# Altium PCB PCB.PcbDoc
Units mil, origin at the board's own origin, x right, y up, seen from the top; angles counter-clockwise.
Board outline 7244.09 x 2125.98 mil, 2 copper layers (Top Layer, Bottom Layer); 101 components, 135 nets, 491 pads, 288 vias.
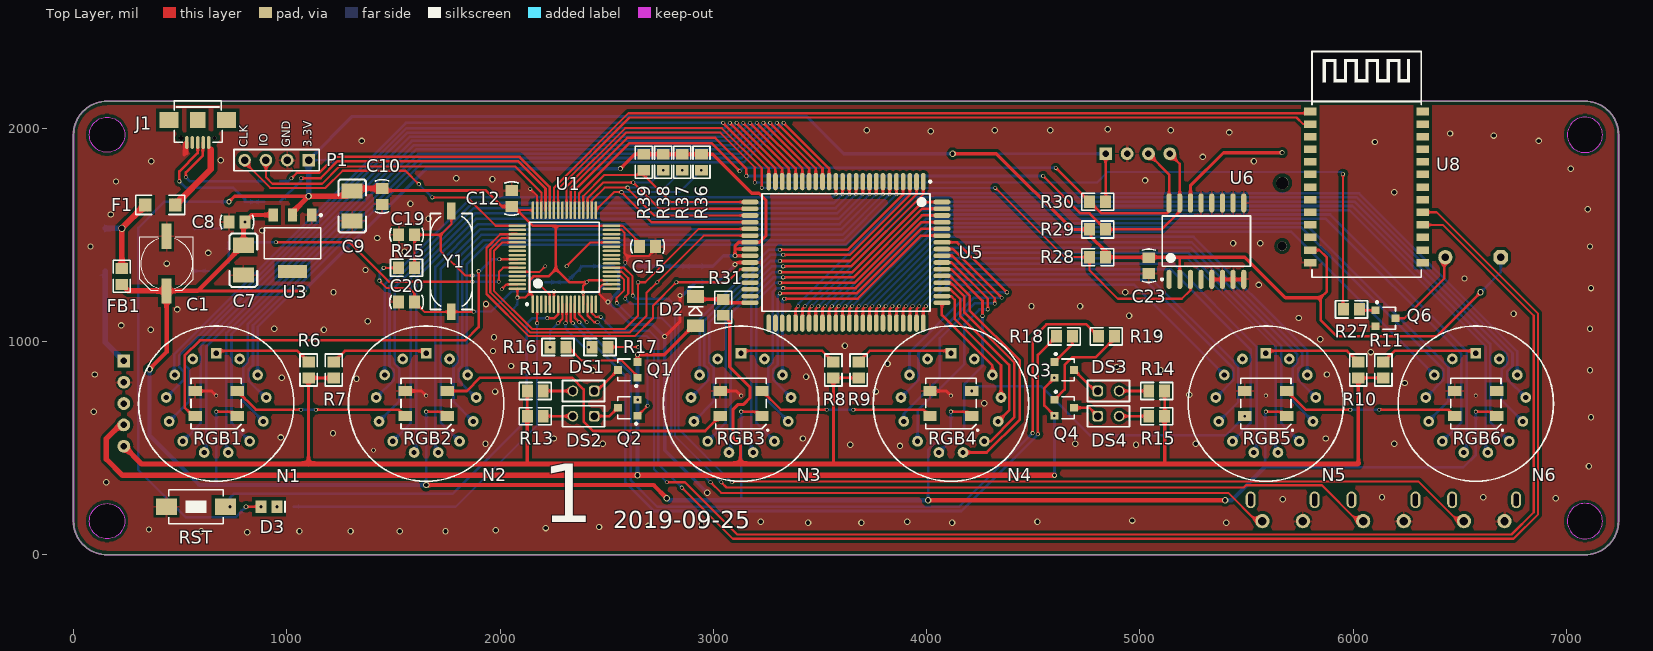
[diagram p0: Top Layer view]
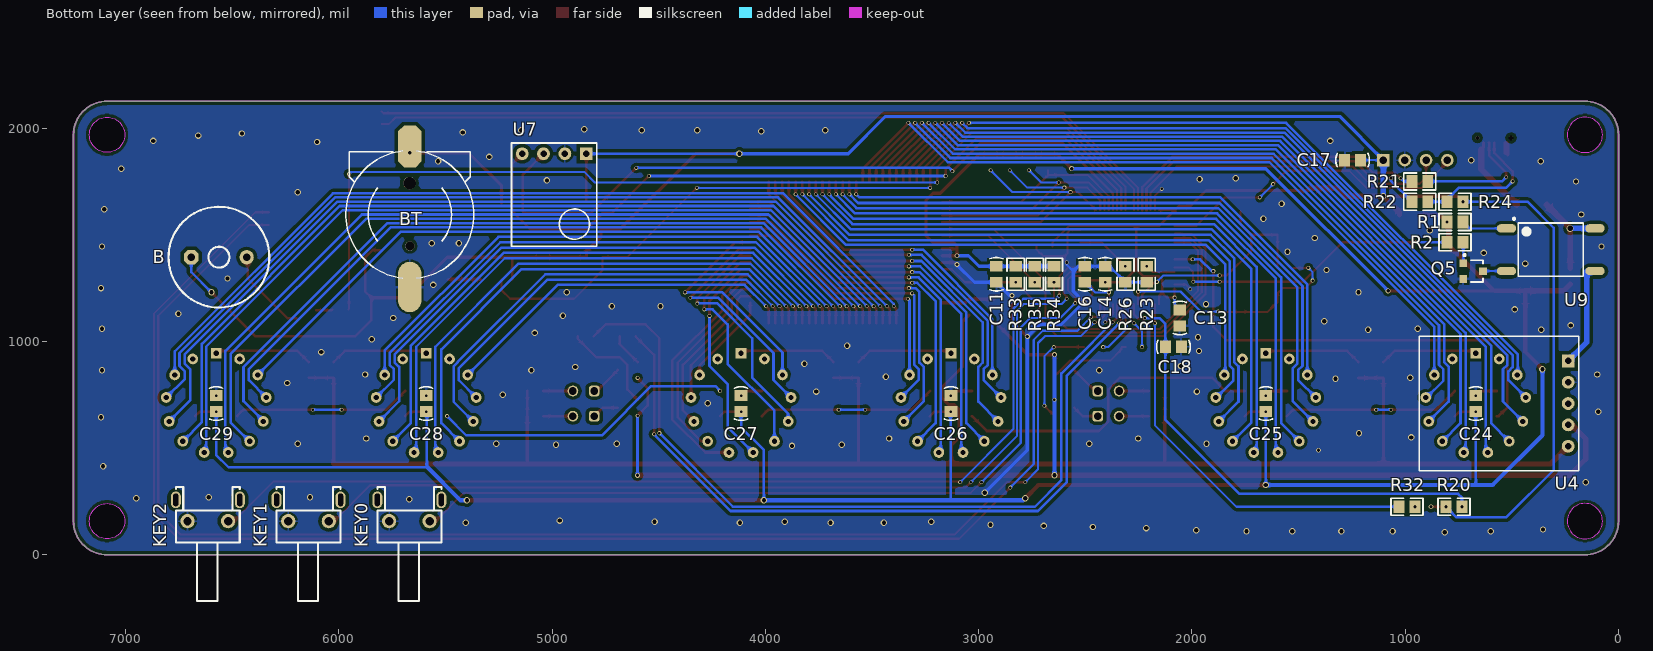
[diagram p1: Bottom Layer view, seen from below]

## Layer stack, top to bottom
Top Solder: solder mask 0.4, Solder Resist, Dk 3.5
Top Layer: signal copper 1.4
Dielectric 1: dielectric 12.6, FR-4, Dk 4.8
Bottom Layer: signal copper 1.4
Bottom Solder: solder mask 0.4, Solder Resist, Dk 3.5

## Board outline
0,157.48 0,1968.5 cw(c157.48,1968.5) 157.48,2125.98 7086.61,2125.98 cw(c7086.61,1968.5) 7244.09,1968.5 7244.09,157.48 cw(c7086.61,157.48) 7086.61,0 157.48,0 cw(c157.48,157.48)
cut-out: 157.48,1885.83 cw(c157.48,1968.5) 74.8,1968.5 cw(c157.48,1968.5) 157.48,2051.18 cw(c157.48,1968.5) 240.16,1968.5 cw(c157.48,1968.5)
cut-out: 157.48,74.8 cw(c157.48,157.48) 74.8,157.48 cw(c157.48,157.48) 157.48,240.16 cw(c157.48,157.48) 240.16,157.48 cw(c157.48,157.48)
cut-out: 7003.94,157.48 ccw(c7086.61,157.48) 7086.61,74.8 ccw(c7086.61,157.48) 7169.29,157.48 ccw(c7086.61,157.48) 7086.61,240.16 ccw(c7086.61,157.48)
cut-out: 7003.94,1968.5 ccw(c7086.61,1968.5) 7086.61,1885.83 ccw(c7086.61,1968.5) 7169.29,1968.5 ccw(c7086.61,1968.5) 7086.61,2051.18 ccw(c7086.61,1968.5)

## Design rules (kind name [scope] priority, off if disabled: settings)
Clearance Clearance_Polygon [InPolygon] p1: gap=15
Clearance [All] p2: gap=7
Height [All] p1: minheight=0 maxheight=3149.61 prefheight=500
MinimumSolderMaskSliver [All] p1: minsoldermaskwidth=0
PolygonConnect PolygonConnectVias [IsVia] p1: connectstyle=Direct reliefconductorwidth=10 reliefentries=4 polygonreliefangle="90 Angle" airgapwidth=10
PolygonConnect [All] p2: connectstyle=Relief reliefconductorwidth=10 reliefentries=4 polygonreliefangle="90 Angle" airgapwidth=10
RoutingVias [All] p1: holewidth=25 width=33 viastyle="Through Hole" minholewidth=10 minwidth=15 maxholewidth=50 maxwidth=70
SilkToSilkClearance [All] p1: silktosilkclearance=0
SilkToSolderMaskClearance [IsPad] p1: minsilkscreentomaskgap=0 clearancetoexposedcopper=TRUE
SolderMaskExpansion [All] p1: expansion=4
Width Width_VCC [(InNet('VCC5') AND InNet('VCC12') AND InNet('VCC3.3') AND InNet('VH'))] p1: maxlimit=35 minlimit=10 preferedwidth=25
Width [All] p2: maxlimit=35 minlimit=10 preferedwidth=10
26 further rules are at their usual default settings.

## Components (designator, comment, footprint, x,y, rotation, side; value= is the part's Value field where it differs from the comment)
B "BEEP-NS" BEEP-NS 6561.89,1395 r180 bottom
BT "Battery" CR1220 5666.89,1915 r180 bottom
C1 "Cap-Pol-ES" C-RB-SMD6.3x7.7 436.89,1365 r90 top
C7 "Cap-Pol" C-1210 796.89,1380.81 r90 top
C8 "Cap-S" C-0805 766.89,1560 r180 top
C9 "Cap-Pol" C-1210 1306.89,1635 r90 top
C10 "Cap-S" C-0805 1446.89,1680 r270 top
C11 "Cap-S" C-0805 2916.89,1315 r270 bottom
C12 "Cap-S" C-0805 2054.29,1670 r270 top
C13 "Cap-S" C-0805 2056.89,1110 r90 bottom
C14 "Cap-S" C-0805 2406.89,1315 r270 bottom
C15 "Cap-S" C-0805 2691.89,1445 r180 top
C16 "Cap-S" C-0805 2501.89,1315 r270 bottom
C17 "Cap-S" C-0805 1246.89,1850 r0 bottom
C18 "Cap-S" C-0805 2086.89,975 r180 bottom
C19 "Cap-S" C-0805 1561.89,1500 r0 top
C20 "Cap-S" C-0805 1561.89,1185 r0 top
C23 "Cap-S" C-0805 5041.89,1355 r270 top
C24 "Cap-S" C-0805 669.29,708.66 r90 bottom
C25 "Cap-S" C-0805 1653.54,708.66 r90 bottom
C26 "Cap-S" C-0805 3129.92,708.66 r90 bottom
C27 "Cap-S" C-0805 4114.17,708.66 r90 bottom
C28 "Cap-S" C-0805 5590.55,708.66 r90 bottom
C29 "Cap-S" C-0805 6574.8,708.66 r90 bottom
D2 "ZMM75" D-ll34 2916.89,1140 r90 top
D3 "LED0" LED-0805 916.89,225 r0 top
DS1 "Neon" PIN2 2391.73,767.72 r180 top
DS2 "Neon" PIN2 2391.73,649.61 r180 top
DS3 "Neon" PIN2 4852.36,767.72 r0 top
DS4 "Neon" PIN2 4852.36,649.61 r0 top
F1 "Fuse1" 1206 406.89,1640 r180 top
FB1 "Inductor" 0805-1 226.89,1305 r270 top
J1 "USB_M" USB_MICRO 582.68,2038.74 r180 top
KEY0 "KEY" SW_PB2_C1 5669.29,157.48 r0 bottom
KEY1 "KEY" SW_PB2_C1 6141.73,157.48 r0 bottom
KEY2 "KEY" SW_PB2_C1 6614.17,157.48 r0 bottom
N1 "IN_14" IN_14 669.29,708.66 r0 top
N2 "IN_14" IN_14 1653.54,708.66 r0 top
N3 "IN_14" IN_14 3129.92,708.66 r0 top
N4 "IN_14" IN_14 4114.17,708.66 r0 top
N5 "IN_14" IN_14 5590.55,708.66 r0 top
N6 "IN_14" IN_14 6574.8,708.66 r0 top
P1 "Header 4" HDR4X1-2.54 952.44,1850 r180 top
Q1 "A42" SOT23-3 2598.43,866.14 r90 top
Q2 "A42" SOT23-3 2598.43,688.98 r90 top
Q3 "A42" SOT23-3 4645.67,866.14 r270 top
Q4 "A42" SOT23-3 4645.67,688.98 r270 top
Q5 "9013" SOT23-3 681.89,1330 r270 bottom
Q6 "9013" SOT23-3 6151.89,1108.64 r270 top
R1 "Res1" 0805-1 766.89,1560 r180 bottom
R2 "Res1" 0805-1 766.89,1465 r0 bottom
R6 "Res1" 0805-1 1102.36,866.14 r270 top
R7 "Res1" 0805-1 1220.47,866.14 r270 top
R8 "Res1" 0805-1 3562.99,866.14 r270 top
R9 "Res1" 0805-1 3681.1,866.14 r270 top
R10 "Res1" 0805-1 6023.62,866.14 r270 top
R11 "Res1" 0805-1 6141.73,866.14 r270 top
R12 "Res1" 0805-1 2165.35,767.72 r0 top
R13 "Res1" 0805-1 2165.35,649.61 r0 top
R14 "Res1" 0805-1 5078.74,767.72 r0 top
R15 "Res1" 0805-1 5078.74,649.61 r180 top
R16 "Res1" 0805-1 2271.57,973.62 r0 top
R17 "Res1" 0805-1 2468.43,973.62 r0 top
R18 "Res1" 0805-1 4645.67,1023.62 r0 top
R19 "Res1" 0805-1 4842.52,1023.62 r0 top
R20 "Res1" 0805-1 771.89,225 r0 bottom
R21 "Res1" 0805-1 931.89,1750 r0 bottom
R22 "Res1" 0805-1 931.89,1655 r0 bottom
R23 "Res1" 0805-1 2211.89,1315 r90 bottom
R24 "Res1" 0805-1 766.89,1655 r180 bottom
R25 "Res1" 0805-1 1561.89,1345 r0 top
R26 "Res1" 0805-1 2311.89,1315 r270 bottom
R27 "Res1" 0805-1 5991.89,1150 r0 top
R28 "Res1" 0805-1 4801.89,1395 r0 top
R29 "Res1" 0805-1 4801.89,1525 r180 top
R30 "Res1" 0805-1 4801.89,1655 r0 top
R31 "Res1" 0805-1 3046.89,1160 r90 top
R32 "Res1" 0805-1 991.89,225 r180 bottom
R33 "Res1" 0805-1 2826.89,1315 r90 bottom
R34 "Res1" 0805-1 2646.89,1315 r90 bottom
R35 "Res1" 0805-1 2736.89,1315 r90 bottom
R36 "Res1" 0805-1 2944.37,1840 r90 top
R37 "Res1" 0805-1 2854.37,1840 r90 top
R38 "Res1" 0805-1 2764.37,1840 r90 top
R39 "Res1" 0805-1 2674.37,1840 r90 top
RGB1 "WS2812B" SMD-5050-4 669.29,708.66 r180 top
RGB2 "WS2812B" SMD-5050-4 1653.54,708.66 r180 top
RGB3 "WS2812B" SMD-5050-4 3129.92,708.66 r180 top
RGB4 "WS2812B" SMD-5050-4 4114.17,708.66 r180 top
RGB5 "WS2812B" SMD-5050-4 5590.55,708.66 r180 top
RGB6 "WS2812B" SMD-5050-4 6574.8,708.66 r180 top
RST "SW-PB" SW_PB2_A1 571.89,225 r270 top
U1 "STM32F103RCT6" LQFP-64 2301.89,1395 r90 top
U3 "AMS1117-3.3" SOT223 1026.89,1460 r180 top
U4 "Boost" BOOST-A 236.22,708.66 r180 bottom
U5 "HV57708PG" PQFP-80 3622.05,1417.32 r270 top
U6 "DS3231" SOIC-16W 5311.89,1470 r90 top
U7 "SHT30" SHT30 4990,1880 r270 bottom
U8 "HC-02" HC-02 6062.99,1723.74 r0 top
U9 "光耦继电器AQY272" AQY272-SOP 317.52,1430 r180 bottom
Y1 "XTAL" X-SM49 1771.89,1375 r270 top

## Footprints (in the part's own frame and the unit in brackets; to place one, negate y for a bottom-side part, rotate by r counter-clockwise, add the part's x,y. Pads: shape width x height; smd on the part's side, far side on the other; paste and mask are expansions set on the pad)
0805-1 [mm] "0805带丝印"
  rect 1.3x1.5 smd: 1(-0.95,0) 2(0.95,0)
  silkscreen extent -1.91,-1.02 1.91,1.02, body extent -1,-0.62 1,0.63, height 0.5
1206 [mil] "贴片元件"
  rect 60x60 smd: 1(-70,0) 2(70,0)
  silkscreen extent -115,-45 115,45, body extent -75,-35 75,35, height 39
AQY272-SOP [mm] "Relay_AQY272"
  oval 2.3x1 smd: 1(-5.271,2.54) 2(-5.271,-2.54) 3(5.271,-2.54) 4(5.271,2.54)
  silkscreen extent -4.5,-3.18 3.87,3.81, body extent -5.14,-4.65 5.26,4.65, height 3.7
BEEP-NS [mm] "无源蜂鸣器"
  oct 1.7x1.7 hole 0.9: 1(-3.3,0)
  round 1.7 hole 0.9: 2(3.3,0)
  silkscreen extent -6,-6 6,6, body extent -6,-6 6,6, height 8.5
BOOST-A [mil] "5V-170V升压模块"
  rect 60x60 hole 30: 1(0,200)
  round 60 hole 30: 2(0,100) 3(0,-100) 4(0,-200) ""(0,0)
  silkscreen extent -698,-315 50,315, body extent -50,-250 50,250, height 335
C-0805 [mm] "贴片电容"
  rect 1.3x1.5 smd: 1(-0.95,0) 2(0.95,0)
  silkscreen extent -2,-0.79 2,0.79, body extent -1,-0.6 1,0.6, height 0.95
C-1210 [mm] "贴片电容"
  rect 1.8x2.5 smd: 1(1.778,0) 2(-1.778,0)
  silkscreen extent -3.17,-1.65 3.17,1.65, body extent -1.61,-1.26 1.61,1.26, height 1
C-RB-SMD6.3x7.7 [mm] "贴片铝电解电容"
  rect 3x1.2 smd: 1(-3.25,0) 2(3.25,0)
  silkscreen extent -3.2,-3.2 3.2,3.2, body extent -3.3,-3.3 3.3,3.3, height 7.7
CR1220 [mm] "纽扣电池座"
  round 1.5 hole 1.5: 0(-0.022,-4.386)
  round 1.1 hole 1.1: 0(0.003,-11.886)
  oct 2.8x5 smd: 1(0,0)
  oval 2.8x6 smd: 2(0,-16.764)
  silkscreen extent -7.61,-15.71 7.62,-0.56, body extent -7.5,-17.63 7.49,0.87, height 4.94
D-ll34 [mm] "圆柱形1206贴片稳压二极管"
  rect 1.5x2 smd: 1(-1.702,0) 2(1.798,0)
  silkscreen extent -0.45,-0.89 2.92,0.89, body extent -1.75,-0.75 1.75,0.75, height 1.5
HC-02 [mm] "串口蓝牙, 2.0/4.0 BLE, 10m"
  rect 1.5x0.9 smd: 1(-6.7,9) 2(-6.7,7.5) 3(-6.7,6) 4(-6.7,4.5) 5(-6.7,3) 6(-6.7,1.5) 7(-6.7,0) 8(-6.7,-1.5) 9(-6.7,-3) 10(-6.7,-4.5) 11(-6.7,-6) 12(-6.7,-7.5) 13(-6.7,-9) 14(6.7,-9) 15(6.7,-7.5) 16(6.7,-6) 17(6.7,-4.5) 18(6.7,-3) 19(6.7,-1.5) 20(6.7,0) 21(6.7,1.5) 22(6.7,3) 23(6.7,4.5) 24(6.7,6) 25(6.7,7.5) 26(6.7,9)
  silkscreen extent -6.5,-10.75 6.5,16.15
HDR4X1-2.54 [mm] "2.54单排针排座"
  rect 1.5x1.5 hole 0.9: 1(-3.81,0)
  round 1.5 hole 0.9: 2(-1.27,0) 3(1.27,0) 4(3.81,0)
  silkscreen extent -5.08,-1.27 5.08,1.27, body extent -5.08,-1.27 5.08,1.27, height 8.5
IN_14 [mil] "辉光管"
  rect 50x50 hole 25: 1(0,236.22)
  round 50 hole 25: 2(-109.78,209.16) 3(-194.4,134.19) 4(-234.49,28.47) 5(-220.87,-83.76) 6(-156.64,-176.81) 7(-56.53,-229.36) 8(56.55,-229.35) 9(156.65,-176.81) 10(220.88,-83.76) 11(234.5,28.48) 12(194.41,134.19) 13(109.78,209.16)
  silkscreen extent -364,-364 364,364, body extent -374,-374 374,374, height 2402
LED-0805 [mm] "贴片LED"
  rect 1.3x1.5 smd: 1(-0.95,0) 2(0.95,0)
  silkscreen extent 1.91,-0.64 1.91,0.64, body extent -1.01,-0.62 1.01,0.63, height 1.1
LQFP-64 [mm] "LQFP, 12x12"
  oval 2.1x0.3 smd: 1(-5.6,3.75) 2(-5.6,3.25) 3(-5.6,2.75) 4(-5.6,2.25) 5(-5.6,1.75) 6(-5.6,1.25) 7(-5.6,0.75) 8(-5.6,0.25) 9(-5.6,-0.25) 10(-5.6,-0.75) 11(-5.6,-1.25) 12(-5.6,-1.75) 13(-5.6,-2.25) 14(-5.6,-2.75) 15(-5.6,-3.25) 16(-5.6,-3.75) 33(5.6,-3.75) 34(5.6,-3.25) 35(5.6,-2.75) 36(5.6,-2.25) 37(5.6,-1.75) 38(5.6,-1.25) 39(5.6,-0.75) 40(5.6,-0.25) 41(5.6,0.25) 42(5.6,0.75) 43(5.6,1.25) 44(5.6,1.75) 45(5.6,2.25) 46(5.6,2.75) 47(5.6,3.25) 48(5.6,3.75)
  oval 0.3x2.1 smd: 17(-3.75,-5.6) 18(-3.25,-5.6) 19(-2.75,-5.6) 20(-2.25,-5.6) 21(-1.75,-5.6) 22(-1.25,-5.6) 23(-0.75,-5.6) 24(-0.25,-5.6) 25(0.25,-5.6) 26(0.75,-5.6) 27(1.25,-5.6) 28(1.75,-5.6) 29(2.25,-5.6) 30(2.75,-5.6) 31(3.25,-5.6) 32(3.75,-5.6) 49(3.75,5.6) 50(3.25,5.6) 51(2.75,5.6) 52(2.25,5.6) 53(1.75,5.6) 54(1.25,5.6) 55(0.75,5.6) 56(0.25,5.6) 57(-0.25,5.6) 58(-0.75,5.6) 59(-1.25,5.6) 60(-1.75,5.6) 61(-2.25,5.6) 62(-2.75,5.6) 63(-3.25,5.6) 64(-3.75,5.6)
  silkscreen extent -5.72,-4.15 4.15,4.57, body extent -6.07,-6.07 6.07,6.07, height 1.62
PIN2 [mm] "氖泡, 2 Pins"
  rrect50% 1.27x1.27 hole 0.9: 1(-1.27,0)
  round 1.27 hole 0.9: 2(1.27,0)
  silkscreen extent -2.5,-1.25 2.5,1.25
PQFP-80 [mm]
  oval 2.05x0.55 smd: 1(-8.425,9.2) 2(-8.425,8.4) 3(-8.425,7.6) 4(-8.425,6.8) 5(-8.425,6) 6(-8.425,5.2) 7(-8.425,4.4) 8(-8.425,3.6) 9(-8.425,2.8) 10(-8.425,2) 11(-8.425,1.2) 12(-8.425,0.4) 13(-8.425,-0.4) 14(-8.425,-1.2) 15(-8.425,-2) 16(-8.425,-2.8) 17(-8.425,-3.6) 18(-8.425,-4.4) 19(-8.425,-5.2) 20(-8.425,-6) 21(-8.425,-6.8) 22(-8.425,-7.6) 23(-8.425,-8.4) 24(-8.425,-9.2) 41(8.425,-9.2) 42(8.425,-8.4) 43(8.425,-7.6) 44(8.425,-6.8) 45(8.425,-6) 46(8.425,-5.2) 47(8.425,-4.4) 48(8.425,-3.6) 49(8.425,-2.8) 50(8.425,-2) 51(8.425,-1.2) 52(8.425,-0.4) 53(8.425,0.4) 54(8.425,1.2) 55(8.425,2) 56(8.425,2.8) 57(8.425,3.6) 58(8.425,4.4) 59(8.425,5.2) 60(8.425,6) 61(8.425,6.8) 62(8.425,7.6) 63(8.425,8.4) 64(8.425,9.2)
  oval 0.55x2.05 smd: 25(-6,-11.425) 26(-5.2,-11.425) 27(-4.4,-11.425) 28(-3.6,-11.425) 29(-2.8,-11.425) 30(-2,-11.425) 31(-1.2,-11.425) 32(-0.4,-11.425) 33(0.4,-11.425) 34(1.2,-11.425) 35(2,-11.425) 36(2.8,-11.425) 37(3.6,-11.425) 38(4.4,-11.425) 39(5.2,-11.425) 40(6,-11.425) 65(6,11.425) 66(5.2,11.425) 67(4.4,11.425) 68(3.6,11.425) 69(2.8,11.425) 70(2,11.425) 71(1.2,11.425) 72(0.4,11.425) 73(-0.4,11.425) 74(-1.2,11.425) 75(-2,11.425) 76(-2.8,11.425) 77(-3.6,11.425) 78(-4.4,11.425) 79(-5.2,11.425) 80(-6,11.425)
  silkscreen extent -8.55,-10 7,10.15, body extent -7,-10 7,10, height 3.1
SHT30 [mil] "温湿度传感器模块 10mm x 13mm"
  rect 60x60 hole 30: 1(0,150)
  round 60 hole 30: 2(0,50) 3(0,-50) 4(0,-150)
  silkscreen extent -50,-200 433,200, body extent -50,-200 50,200, height 335
SMD-5050-4 [mm]
  rect 1.6x1.2 smd: 1(-2.5,1.5) 2(-2.5,-1.5) 3(2.5,-1.5) 4(2.5,1.5)
  silkscreen extent -3.27,-3 3,3.27, body extent -2.7,-2.5 2.7,2.5, height 1.5
SOIC-16W [mm] "SOIC"
  oval 2.3x0.6 smd: 1(-4.55,4.445) 2(-4.55,3.175) 3(-4.55,1.905) 4(-4.55,0.635) 5(-4.55,-0.635) 6(-4.55,-1.905) 7(-4.55,-3.175) 8(-4.55,-4.445) 9(4.55,-4.445) 10(4.55,-3.175) 11(4.55,-1.905) 12(4.55,-0.635) 13(4.55,0.635) 14(4.55,1.905) 15(4.55,3.175) 16(4.55,4.445)
  silkscreen extent -4.67,-5.25 3,5.42, body extent -3.75,-5.15 3.75,5.15, height 2.65
SOT23-3 [mm]
  rect 0.9x0.95 smd: 1(-0.95,-1.175) 2(0.95,-1.175) 3(0,1.175)
  silkscreen extent -2.03,-1.14 1.3,1.18, body extent -1.45,-1.4 1.45,1.4, height 1.2
SOT223 [mm]
  rect 1.1x1.55 smd: 1(-2.3,-3.375) 2(0,-3.375) 3(2.3,-3.375)
  rect 3.45x1.55 smd: 4(0,3.375)
  silkscreen extent -3.5,-3.48 3.35,1.85, body extent -3.25,-3.48 3.25,3.48, height 1.7
SW_PB2_A1 [mm]
  rect 2x2.5 smd: 1(0,3.556) 2(0,-3.444)
  silkscreen extent -2,-3.19 2,3.31, body extent -1.93,-3.94 1.92,3.95, height 2.5
SW_PB2_C1 [mm] "侧卧微动开关"
  round 1.7 hole 1: 1(-2.413,0) 2(2.413,0)
  oval 1.2x2 hole 0.6 slot 1.5 at 90 deg: 3(-3.81,-2.54) 4(3.81,-2.54)
  silkscreen extent -3.81,-4.06 3.81,9.53, body extent -4.26,-4 4.44,3.85, height 7.4
USB_MICRO [mm] "USB方孔"
  round 0.5 hole 0.5: 0(-2,2.15)
  round 0.5 hole 0.56: 0(2,2.15)
  oct 0.4x1.5 smd: 1(-1.3,2.7) 2(-0.65,2.7) 3(0,2.7) 4(0.65,2.7) 5(1.3,2.7)
  rect 2.286x1.9 smd: 6(3.429,0) 7(-3.429,0)
  rect 1.8x1.9 smd: 8(0,0)
  silkscreen extent -2.92,-2.29 2.79,2.67, body extent -4.4,-2.79 4.4,2.81, height 2.73
X-SM49 [mm]
  rect 2x1 smd: 1(6,0.004) 2(-6,-0.004)
  silkscreen extent -5.7,-2.5 5.72,2.5, body extent -6.7,-2.46 6.7,2.44, height 4

## Part data
B: "无源蜂鸣器"
C1: "贴片铝电解电容"
C7 C9: library part Cap-Pol-A, "钽电容"
C8 C10 C11 C12 C13 C14 C15 C16 C17 C18 C19 C20 C23 C24 C25 C26 C27 C28 C29: "贴片瓷片电容"
D2: library part Diode-Z, "稳压二极管"
D3: "发光二极管"
DS1 DS2 DS3 DS4: library part Neon_Lamp, "氖泡"
F1: "保险丝"
FB1: "磁珠"
J1: "Micro/Mini USB"
KEY0 KEY1 KEY2: library part SW-PB, "微动开关"
N1 N2 N3 N4 N5 N6: "辉光管"
P1: "接插件"
Q1 Q2 Q3 Q4 Q5 Q6: library part NPN1, "贴片三极管"
R1 R2 R6 R7 R8 R9 R10 R11 R12 R13 R14 R15 R16 R17 R18 R19 R20 R21 R22 R23 R24 R25 R26 R27 R28 R29 R30 R31 R32 R33 R34 R35 R36 R37 R38 R39: "贴片电阻"
RGB1 RGB2 RGB3 RGB4 RGB5 RGB6: "WS2812B 4脚RGB全彩LED"
RST: "微动开关"
U1: "STM32F103, 64引脚, 256Kb Flash, 48Kb SRAM"
U3: library part AMS1117, "3.3V稳压芯片"
U4: library part 升压模块5V-170V, "5V-->170V"
U5: "32MHz, 64通道推挽输出串入并出芯片"
U6: "高精度时钟芯片"
U7: "温湿度传感器模块"
U8: "串口蓝牙4.0, 10m"
U9: library part RELAY-AQY272, "继电器"
Y1: "晶振"

## Via types
v1: diameter 18, hole 12, Top Layer to Bottom Layer, tented both sides, 144 vias
v2: diameter 30, hole 20, Top Layer to Bottom Layer, tented both sides, 127 vias
v3: diameter 23, hole 15, Top Layer to Bottom Layer, tented both sides, 13 vias
v4: diameter 24, hole 16, Top Layer to Bottom Layer, tented both sides, 3 vias
v5: diameter 33, hole 25, Top Layer to Bottom Layer, tented both sides, 1 vias

## Nets (pads, with @x,y where several pads share a name; then routed paths per layer and width w, separated by ;. In a path a pad name is that pad's centre, name@x,y a point inside that pad or via, vN(x,y) a via of type N, cw(c..) or ccw(c..) an arc to the next point about the centre after c; other vN are vias at no path point)
+5V: F1.2 FB1.1 U9.4 | length 420.7
  Top Layer w25: FB1.1 v5(226.89,1530)
  Top Layer w30: v5(226.89,1530) 331.89,1635 F1.2
  Bottom Layer w25: U9.4@149.39,1530 v5(226.89,1530)
BEEP: R27.1 U1.39 | length 4634.4
  Top Layer w10: U1.39 2331.42,1719.53 2590.89,1979 3032.89,1979 3196.89,1815 3194.37,1812.48 v1(3194.37,1745) ; v1(5951.89,1785) 5951.89,1152.6 R27.1
  Bottom Layer w10: v1(3194.37,1745) 4799.37,1745 4849.37,1795 5941.89,1795 v1(5951.89,1785)
DOT1: R16.1 U1.8 | length 224.9
  Top Layer w10: v1(2271.89,1085) 2292.05,1105.16 U1.8
  Bottom Layer w10: v1(2234.17,973.62) 2234.17,1047.28 v1(2271.89,1085)
DOT2: R17.1 U1.9 | length 262.3
  Top Layer w10: v1(2306.89,1085) 2311.73,1089.84 U1.9
  Bottom Layer w10: v1(2306.89,1085) 2306.89,1060 2393.27,973.62 v1(2416.89,973.62)
DOT3: R18.1 U1.10 | length 3575.4
  Top Layer w12: U1.10 2331.42,1095.47 v1(2341.89,1085) ; v1(4521.89,565) 4521.89,937.24 R18.1
  Bottom Layer w12: v1(2341.89,1085) 2586.89,840 2586.89,340 2721.89,205 4163,205 4518.89,560.89 4518.89,562 v1(4521.89,565)
DOT4: R19.1 U1.11 | length 3815.7
  Top Layer w12: U1.11 2351.1,1110.79 v1(2371.89,1090) ; v1(4496.89,570) 4496.89,1015 4561.89,1080 4748.74,1080 R19.1
  Bottom Layer w12: v1(2371.89,1090) 2556.24,905.65 2611.89,850 2611.89,350 2736.89,225 4151.89,225 v1(4496.89,570)
DS_INT: R28.1 U1.40 U6.3 | length 3638.4
  Top Layer w10: U1.40 2311.73,1724.84 2586.89,2000 3039.88,2000 3226.89,1812.99 v1(3226.89,1720) ; v1(4321.89,1720) 4646.89,1395 R28.1 4764.49,1332.4 4896.89,1200 5196.89,1200 5236.89,1240 U6.3
  Bottom Layer w10: v1(3226.89,1720) v1(4321.89,1720)
GND: BT.2 C1.2 C7.2 C8.2 C9.2 C10.2 C11.2 C12.1 C13.1 C14.1 C15.1 C16.1 C17.2 C18.2 C19.1 C20.1 C23.2 C24.2 C25.2 C26.2 C27.2 C28.2 C29.2 J1.5 KEY0.2 KEY1.2 KEY2.2 P1.2 Q5.2 Q6.2 R23.1 R26.2 RGB1.3 RGB2.3 RGB3.3 RGB4.3 RGB5.3 RGB6.3 RST.2 U1.12 U1.18 U1.31 U1.47 U1.63 U3.1 U4.2 U5.34 U6.5 U6.6 U6.7 U6.8 U6.9 U6.10 U6.11 U6.12 U6.13 U7.2 U8.13 | length 3876.5
  Top Layer w10: v1(2007.8,1245) 2029.84,1267.05 U1.63 ; v1(2141.89,1715) 2173.94,1682.95 U1.47 ; U1.12 2370.79,1126.1 v1(2406.89,1090) ; v3(2506.89,1185) 2501.89,1185 2466.89,1220 2466.89,1252.65 2481.29,1267.05 U1.18 ; U1.31 2569.9,1522.95 2583.12,1509.73 2583.12,1413.77 2596.89,1400 ; v1(2586.89,1370) 2596.89,1380 2596.89,1400 ; C15.1 2729.29,1432.4 2696.89,1400 2596.89,1400
  Top Layer w12: RGB1.3 647.64,767.72 v1(669.29,746.06)
  Top Layer w15: 519.37,1875 519.37,1925 526.81,1932.44 J1.5 531.5,1882.13 ; RGB2.3 1631.89,767.72 v1(1653.54,746.06) ; v3(2771.89,1022.48) 2844.37,1094.96 v3(2844.37,1215) ; RGB3.3 3108.27,767.72 v1(3129.92,746.06) ; v3(3101.89,1360) 3111.97,1370.08 U5.34 ; RGB4.3 4092.52,767.72 v1(4114.17,746.06) ; U6.5 U6.6 U6.7 U6.8
  Bottom Layer w10: 2556.89,1329.32 2586.89,1359.32 v1(2586.89,1370)
  Bottom Layer w12: R23.1 R26.2 2386.69,1352.4 C14.1 C16.1
  Bottom Layer w15: C16.1 2533.81,1352.4 2556.89,1329.32 2556.89,1235 v3(2506.89,1185) 2611.89,1080 2714.47,1080 2771.89,1022.58 v3(2771.89,1022.48) ; v3@2771.89,1020 2771.89,490 v2(2971.89,290) ; v3(2844.37,1215) 2854.29,1215 C11.2 3019.49,1277.6 v3(3101.89,1360)
  other v1: 5590.55,746.06 6574.8,746.06
  other v2: 814.37,105 599.37,110 1059.37,110 1299.37,110 1529.37,110 1744.37,110 1979.37,115 354.33,118.11 2214.37,125 2464.37,130 2694.37,135 2944.37,140 3444.37,150 3694.37,150 4119.37,150 5404.37,150 3221.89,155 3909.37,155 4519.37,155 4964.37,160 5670,260 6949.37,265 6135,270 6610,270 154.37,340 7105,415 3875,510 3641.89,515 4981.89,515 1931.89,520 2481.89,520 4696.89,520 5261.89,520 6191.89,520 2251.89,545 3420,545 5871.89,545 971.89,550 1216.89,570 7115,645 95,670 4270,710 5231.89,750 1976.89,765 3761.89,765 6241.89,805 1326.89,825 976.89,830 3435,835 100,845 5876.89,845 2434.37,865 5096.89,865 7110,865 4891.89,880 2051.89,885 3816.89,895 6081.89,950 1966.89,955 3616.89,980 5845,1010 1971.89,1020 5081.89,1040 361.89,1055 1174.37,1055 941.89,1060 7110,1060 224.37,1075 1379.37,1095 5745,1110 4949.37,1120 6751.89,1130 486.89,1150 4491.89,1165 4719.37,1165 1934.37,1175 1219.37,1230 4931.89,1230 7115,1250 5556.89,1265 6521.89,1295 1369.37,1335 436.88,1365 631.89,1415 1551.89,1420 80,1445 7110,1445 5436.89,1460 5564.37,1460 1424.37,1485 885,1520 1665,1575 174.37,1595 7100,1620 1580,1645 6191.89,1700 199.37,1750 5024.37,1755 1964.37,1760 1794.37,1765 7020,1810 364.37,1845 5534.37,1845 690.12,1849.53 5294.37,1865 6101.89,1935 1351.89,1940 6870,1940 6659.37,1965 6454.37,1975 5419.37,1980 4019.37,1985 3719.37,1990 4319.37,1990 4579.37,1990 5144.37,1990 4849.37,1995
  other v3: 1406.89,490
GNDH: D2.1 Q1.2 Q2.2 Q3.2 Q4.2 U4.3 | length 6102.4
  Top Layer w12: v1(4599.41,651.57) 4551.89,699.09 4551.89,781.22 v1(4599.41,828.74)
  Top Layer w15: Q1.2 v3(2644.69,937.8) 2769.69,937.8 D2.1@2910.89,1079
  Top Layer w25: U4.3 218.03,608.66 154.37,545 154.37,447.52 229.69,372.2 v2(2644.69,372.2) v3(4599.69,372.2)
  Bottom Layer w15: v3(4599.69,372.2) v1@4599.69,651.3
  Bottom Layer w20: v2(2644.69,372.2) v1(2644.69,726.38) v3(2644.69,937.8)
HC-KEY: U1.15 U8.18 | length 6982.5
  Top Layer w10: U1.15 2429.84,1133.46 2448.3,1115 v1(2471.89,1115) ; v1(2851.89,315) 3091.89,75 6751.89,75 6866.89,190 6866.89,1130 6391.26,1605.63 U8.18
  Bottom Layer w10: v1(2471.89,1115) 2536.89,1050 2699.37,1050 2741.89,1007.48 2741.89,425 v1(2851.89,315)
HC-RXD: U1.42 U8.2 | length 3778.3
  Top Layer w10: U1.42 2272.36,1715.47 2606.89,2050 5734.37,2050 5765.35,2019.02 U8.2
HC-STA: U1.14 U8.17 | length 6921.7
  Top Layer w10: U1.14 2410.16,1121.73 2441.89,1090 v1(2456.89,1090) ; v1(2781.89,340) 2866.89,340 3111.89,95 6741.89,95 6846.3,199.41 6846.3,1120.59 6420.31,1546.58 U8.17
  Bottom Layer w10: v1(2456.89,1090) 2521.89,1025 2689.37,1025 2721.89,992.48 2721.89,400 v1(2781.89,340)
HC-TXD: U1.43 U8.1 | length 3799.8
  Top Layer w10: U1.43 2252.68,1720.79 2601.89,2070 5791.14,2070 U8.1